# Altium PCB KlusterLab r2.0.PcbDoc (part 13 of 22) (continued)
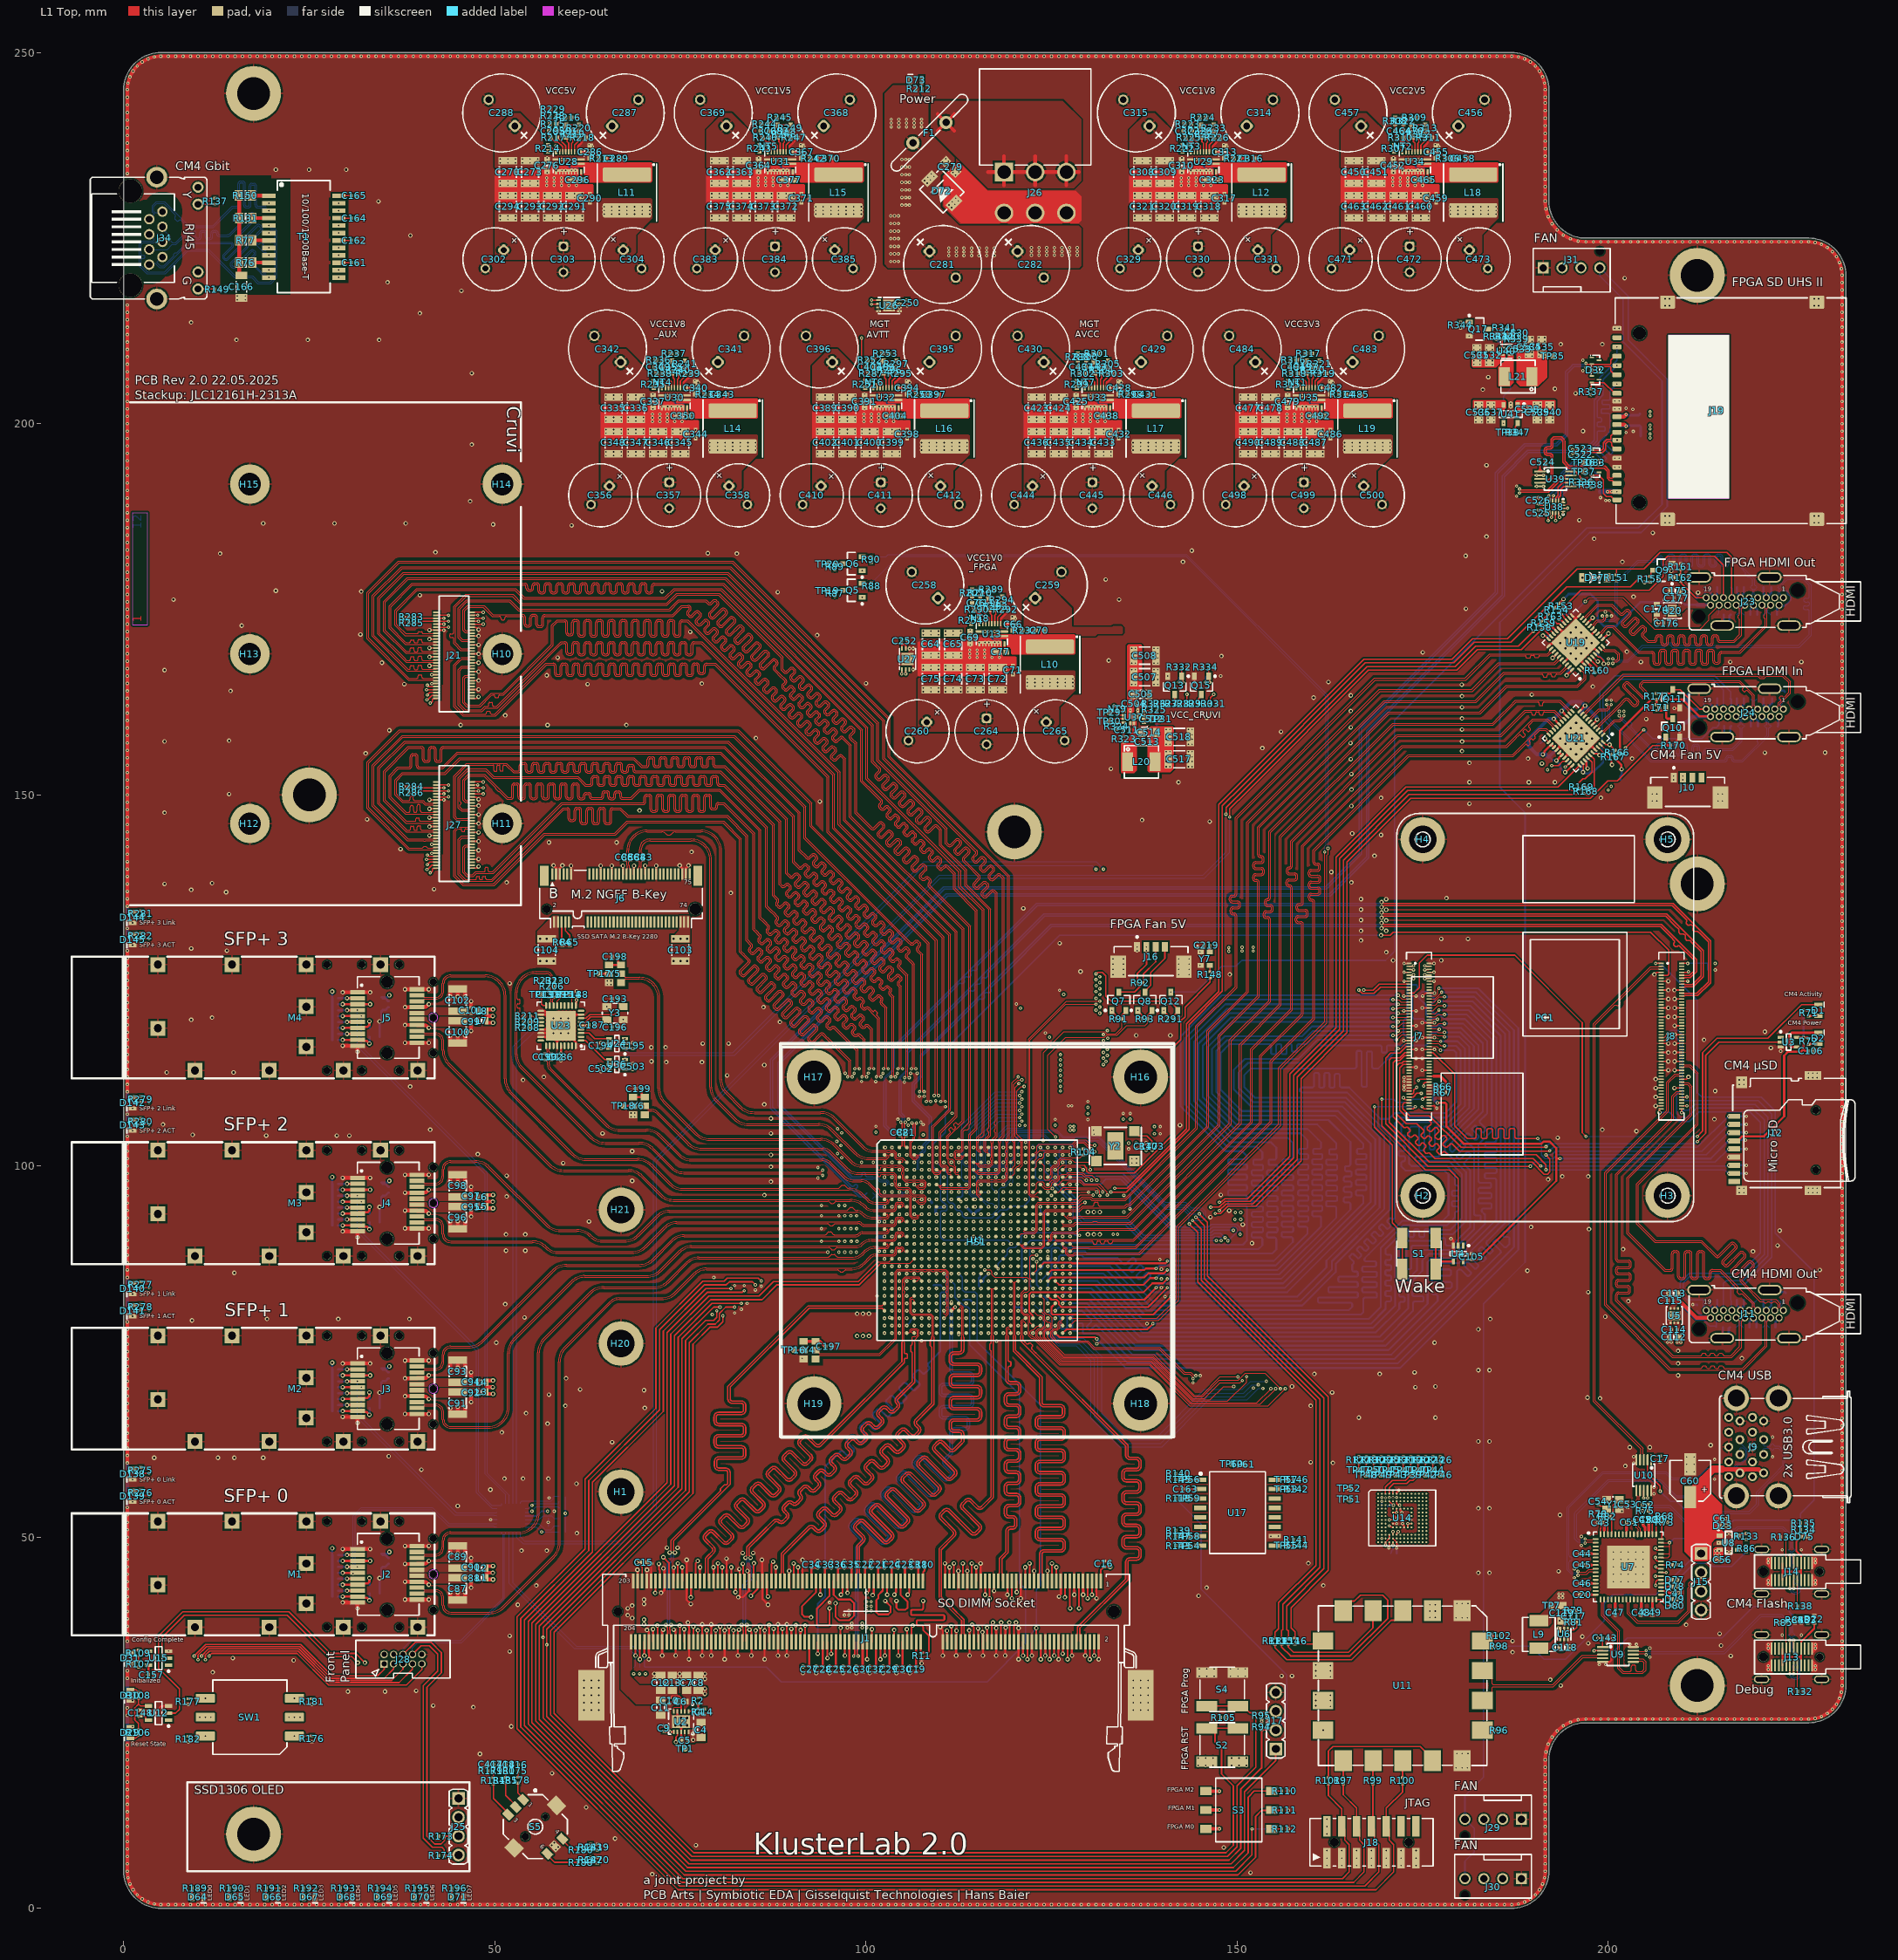
[diagram p0: L1 Top view]
## Nets (pads, with @x,y where several pads share a name; then routed paths per layer and width w, separated by ;. In a path a pad name is that pad's centre, name@x,y a point inside that pad or via, vN(x,y) a via of type N, cw(c..) or ccw(c..) an arc to the next point about the centre after c; other vN are vias at no path point) (continued)
eMMC.D0: R119.1 U1.A24 | length 82.2
  L3 Inner2 (Sig) w0.1: v1(125.493,102.507) 126.114,103.128 128.172,103.128 130.5,100.8 131.45,100.8 133,99.25 134.8,99.25 135.55,98.5 158.836,98.5 174.9,82.436 174.9,69.35 173.4,67.85 173.4,64.378 173.4,64.328 ccw(c173.6,64.328) 173.6,64.128 173.818,64.128 cw(c173.818,63.928) 173.818,63.728 173.424,63.728 ccw(c173.424,63.528) 173.424,63.328 173.6,63.328 cw(c173.6,63.128) 173.6,62.928 ccw(c173.6,62.728) 173.4,62.728 173.4,62.471 173.4,60.829 v1(173.395,60.824)
eMMC.D1: R120.1 U1.A23 | length 83.6
  L3 Inner2 (Sig) w0.1: v1(124.5,102.5) 125.4,103.4 128.283,103.4 130.583,101.1 131.5,101.1 133.1,99.5 134.888,99.5 135.638,98.75 158.939,98.75 175.15,82.539 175.15,69.2 174.395,68.445 174.395,62.564 174.395,62.514 ccw(c174.595,62.514) 174.595,62.314 174.806,62.314 cw(c174.806,62.114) 174.806,61.914 174.018,61.914 ccw(c174.018,61.714) 174.018,61.514 174.195,61.514 cw(c174.195,61.314) 174.395,61.314 174.395,60.853 v1(174.395,60.824)
eMMC.D2: R121.1 U1.C26 | length 85.8
  L3 Inner2 (Sig) w0.1: v1(127.496,100.504) 131.346,100.504 132.85,99 134.682,99 135.438,98.243 158.73,98.243 174.65,82.323 174.65,69.569 172.4,67.319 172.4,66.823 172.4,66.773 ccw(c172.6,66.773) 172.6,66.573 172.682,66.573 cw(c172.682,66.373) 172.682,66.173 172.154,66.173 ccw(c172.154,65.973) 172.154,65.773 172.682,65.773 cw(c172.682,65.573) 172.682,65.373 172.154,65.373 ccw(c172.154,65.173) 172.154,64.973 172.682,64.973 cw(c172.682,64.773) 172.682,64.573 172.154,64.573 ccw(c172.154,64.373) 172.154,64.173 172.682,64.173 cw(c172.682,63.973) 172.682,63.773 172.154,63.773 ccw(c172.154,63.573) 172.154,63.373 172.682,63.373 cw(c172.682,63.173) 172.682,62.973 172.154,62.973 ccw(c172.154,62.773) 172.154,62.573 172.619,62.573 cw(c172.619,62.373) 172.619,62.173 172.2,62.173 ccw(c172.2,61.973) 172.2,61.773 cw(c172.2,61.573) 172.4,61.573 172.4,61.196 172.4,60.829 v1(172.395,60.824)
eMMC.D3: R122.1 U1.D21 | length 86.4
  L1 Top w0.1: U1.D21@122.5,99.5 122.95,99.95 122.95,100.596 123.379,101.025 123.704,101.025 123.978,101.299 123.978,101.678 124.2,101.9 124.749,101.9 127.953,101.9 128.247,102.194 128.247,102.762 128.583,103.098 129.306,103.098 129.9,102.505 129.9,102.2 130.2,101.9 v1(130.8,101.9)
  L3 Inner2 (Sig) w0.1: v1(130.8,101.9) 130.815,101.885 131.115,101.885 133.25,99.75 134.993,99.75 135.743,99 159.043,99 175.4,82.643 175.4,62.115 175.4,62.065 ccw(c175.58,62.065) 175.58,61.885 175.658,61.885 cw(c175.658,61.705) 175.838,61.705 175.838,61.665 cw(c175.658,61.665) 175.658,61.485 175.58,61.485 ccw(c175.58,61.305) 175.4,61.305 175.4,61.017 175.4,60.829 v1(175.395,60.824)
eMMC.D4: R123.1 U1.C24 | length 86.4
  L3 Inner2 (Sig) w0.1: v1(125.5,100.5) 125.884,100.116 131.384,100.116 132.75,98.75 134.581,98.75 135.331,98 158.629,98 174.4,82.229 174.4,74.15 172.45,72.2 172.45,71.538 172.45,71.488 ccw(c172.65,71.488) 172.65,71.288 173.217,71.288 cw(c173.217,71.088) 173.217,70.888 172.196,70.888 ccw(c172.196,70.688) 172.196,70.488 173.217,70.488 cw(c173.217,70.288) 173.217,70.088 172.196,70.088 ccw(c172.196,69.888) 172.196,69.688 173.217,69.688 cw(c173.217,69.488) 173.217,69.288 172.215,69.288 ccw(c172.215,69.088) 172.215,68.888 172.25,68.888 cw(c172.25,68.688) 172.45,68.688 172.45,68.154 172.45,67.8 171.395,66.745 v1(171.395,60.824)
eMMC.D5: R124.1 U1.C21 | length 88.6
  L1 Top w0.1: U1.C21@122.5,100.5 122.973,100.973 122.973,101.623 123.45,102.1 127.87,102.1 128.047,102.277 128.047,102.88 128.465,103.298 129.452,103.298 v1(130.4,102.35)
  L3 Inner2 (Sig) w0.1: v1(130.4,102.35) 131.05,102.35 133.408,99.992 135.119,99.992 135.86,99.25 159.146,99.25 175.65,82.746 175.65,64.95 176.395,64.205 176.395,63.552 176.395,63.502 ccw(c176.595,63.502) 176.595,63.302 176.79,63.302 cw(c176.79,63.102) 176.79,62.902 176.016,62.902 ccw(c176.016,62.702) 176.016,62.502 176.778,62.502 cw(c176.778,62.302) 176.778,62.102 176.595,62.102 ccw(c176.595,61.902) 176.395,61.902 176.395,61.41 v1(176.395,60.824)
eMMC.D6: R125.1 U1.D24 | length 86.3
  L3 Inner2 (Sig) w0.1: v1(125.5,99.5) 125.875,99.875 131.275,99.875 132.65,98.5 134.48,98.5 135.23,97.75 158.525,97.75 174.15,82.125 174.15,74.25 171.421,71.521 171.421,67.962 170.4,66.941 170.4,66.437 170.4,66.387 ccw(c170.56,66.387) 170.56,66.227 170.842,66.227 cw(c170.842,66.067) 171.002,66.067 171.002,65.987 cw(c170.842,65.987) 170.842,65.827 170.308,65.827 ccw(c170.308,65.667) 170.148,65.667 170.148,65.587 ccw(c170.308,65.587) 170.308,65.427 170.842,65.427 cw(c170.842,65.267) 171.002,65.267 171.002,65.187 cw(c170.842,65.187) 170.842,65.027 170.308,65.027 ccw(c170.308,64.867) 170.148,64.867 170.148,64.787 ccw(c170.308,64.787) 170.308,64.627 170.842,64.627 cw(c170.842,64.467) 171.002,64.467 171.002,64.387 cw(c170.842,64.387) 170.842,64.227 170.308,64.227 ccw(c170.308,64.067) 170.148,64.067 170.148,63.987 ccw(c170.308,63.987) 170.308,63.827 170.842,63.827 cw(c170.842,63.667) 171.002,63.667 171.002,63.587 cw(c170.842,63.587) 170.842,63.427 170.308,63.427 ccw(c170.308,63.267) 170.148,63.267 170.148,63.187 ccw(c170.308,63.187) 170.308,63.027 170.825,63.027 cw(c170.825,62.867) 170.985,62.867 170.985,62.787 cw(c170.825,62.787) 170.825,62.627 170.4,62.627 ccw(c170.4,62.467) 170.24,62.467 170.24,62.387 ccw(c170.4,62.387) 170.4,62.227 170.56,62.227 cw(c170.56,62.067) 170.72,62.067 170.72,61.987 cw(c170.56,61.987) 170.56,61.827 ccw(c170.56,61.667) 170.4,61.667 170.4,61.403 170.4,60.829 v1(170.395,60.824)
eMMC.D7: R126.1 U1.B21 | length 87
  L1 Top w0.1: U1.B21@122.5,101.5 122.999,101.999 122.999,102.624 123.318,102.944 127.792,102.944 128.371,103.522 129.596,103.522 130.318,102.8 v1(130.8,102.8)
  L3 Inner2 (Sig) w0.1: v1(130.8,102.8) 130.858,102.742 131.072,102.742 133.564,100.25 135.203,100.25 135.953,99.5 159.25,99.5 175.9,82.85 175.9,65.177 177.395,63.682 177.395,62.696 177.395,62.646 ccw(c177.595,62.646) 177.595,62.446 177.941,62.446 cw(c177.941,62.246) 177.941,62.046 177.595,62.046 ccw(c177.595,61.846) 177.395,61.846 177.395,61.235 v1(177.395,60.824)
eMMC.DS: R130.1 U1.F22 | length 87.7
  L1 Top w0.1: U1.F22@123.5,97.5 124.1,96.9 124.932,96.9 125.008,96.976 v1(125.103,96.976)
  L3 Inner2 (Sig) w0.1: v1(125.103,96.976) 124.385,97.693 123.507,97.693 123.028,98.172 123.028,99.718 123.312,100.002 124.78,100.002 125,99.782 125,99.428 125.314,99.114 127.603,99.114 127.967,98.75 131.6,98.75 132.35,98 134.25,98 135,97.25 158.318,97.25 173.65,81.918 173.65,74.45 170.1,70.9 170.1,67.768 168.395,66.063 168.395,64.98 168.395,61.461 v1(168.395,60.824)
eMMC.R\S\T\: R129.1 U1.D26 | length 76.9
  L3 Inner2 (Sig) w0.1: v1(127.5,99.5) 127.855,99.5 128.331,99.024 131.726,99.024 132.5,98.25 134.355,98.25 135.105,97.5 158.422,97.5 173.9,82.022 173.9,74.35 170.416,70.866 170.416,67.566 169.35,66.5 169.35,65.349 169.595,65.104 169.595,64.96 169.595,61.611 169.595,61.39 169.395,61.191 v1(169.395,60.824)
eMMC_CLK: R128.2 TP48.1 U14.M6 | length 12.6
  L1 Top w0.1: R128.2@167.395,60.034 R128.2@167.4,60.029
  L1 Top w0.165: v1(167.4,58.4) R128.2@167.4,60.029 ; U14.M6@171.495,50.329 171.511,50.345 171.511,50.47 171.695,50.654 v1(171.695,50.729)
  L3 Inner2 (Sig) w0.1: v1(167.4,58.4) 168.054,57.746 168.054,52.612 169.562,51.104 171.32,51.104 v1(171.695,50.729)
eMMC_CMD: R127.2 TP47.1 U14.M5 | length 12.7
  L1 Top w0.1: R127.2@166.395,60.034 R127.2@166.4,60.029
  L1 Top w0.165: v1(166.4,59.05) R127.2@166.4,60.029 ; U14.M5@170.995,50.329 v1(170.995,50.729)
  L3 Inner2 (Sig) w0.1: v1(166.4,59.05) 166.4,58.45 167.7,57.15 167.7,52.2 169.171,50.729 v1(170.995,50.729)
eMMC_D0: R119.2 TP39.1 U14.A3 | length 6.6
  L1 Top w0.165: U14.A3@169.995,55.829 169.995,56.729 170.931,57.665 172.655,57.665 TP39.1@173.395,58.405 ; R119.2@173.395,60.034 TP39.1@173.395,58.405 ; TP39.1@173.4,58.4 TP39.1@173.395,58.405
eMMC_D1: R120.2 TP40.1 U14.A4 | length 7.1
  L1 Top w0.165: U14.A4@170.495,55.829 170.495,56.645 171.1,57.25 172.839,57.25 173.238,57.649 173.658,57.649 174.4,58.392 TP40.1@174.4,59.05 174.4,60.029 R120.2@174.395,60.034
eMMC_D2: R121.2 TP41.1 U14.A5 | length 4.8
  L1 Top w0.1: R121.2@172.395,60.034 R121.2@172.4,60.029
  L1 Top w0.165: U14.A5@170.995,55.829 170.995,56.304 v3(171,56.309) ; v1(172.4,59.05) R121.2@172.4,60.029
  L3 Inner2 (Sig) w0.1: v3(171,56.309) 170.995,56.314 170.995,57.274 172.4,58.679 v1(172.4,59.05)
eMMC_D3: R122.2 TP42.1 U14.B2 | length 10.9
  L1 Top w0.1: R122.2@175.395,60.034 R122.2@175.4,60.029
  L1 Top w0.165: v1(175.4,58.4) R122.2@175.4,60.029
  L3 Inner2 (Sig) w0.1: v3(169.495,55.354) 169.495,56.973 170.809,58.287 170.809,58.633 171.72,59.543 172.742,59.543 173.885,58.4 v1(175.4,58.4)
eMMC_D4: R123.2 TP43.1 U14.B3 | length 5.3
  L1 Top w0.1: R123.2@171.395,60.034 R123.2@171.4,60.029
  L1 Top w0.165: v1(171.4,58.4) R123.2@171.4,60.029
  L3 Inner2 (Sig) w0.1: v3(169.995,55.304) 169.995,56.922 171.4,58.327 v1(171.4,58.4)
eMMC_D5: R124.2 TP44.1 U14.B4 | length 8.7
  L1 Top w0.1: R124.2@176.395,60.034 R124.2@176.4,60.029
  L1 Top w0.165: v1(176.4,59.05) R124.2@176.4,60.029
  L3 Inner2 (Sig) w0.1: v3(170.495,55.329) 170.966,55.8 171.909,55.8 173.109,57 174.789,57 176.4,58.611 v1(176.4,59.05)
eMMC_D6: R125.2 TP45.1 U14.B5 | length 8.4
  L1 Top w0.1: R125.2@170.395,60.034 R125.2@170.4,60.029
  L1 Top w0.165: v1(170.4,59.05) R125.2@170.4,60.029
  L3 Inner2 (Sig) w0.1: v1(170.4,59.05) 170.4,58.413 169.113,57.126 169.113,54.58 169.364,54.329 169.995,54.329 v3(170.995,55.329)
eMMC_D7: R126.2 TP46.1 U14.B6 | length 8.8
  L1 Top w0.1: R126.2@177.395,60.034 R126.2@177.4,60.029
  L1 Top w0.165: v1(177.4,58.4) R126.2@177.4,60.029
  L3 Inner2 (Sig) w0.1: v3(171.495,55.354) 171.915,55.354 173.236,56.675 174.849,56.675 176.574,58.4 v1(177.4,58.4)
eMMC_DS: R130.2 TP50.1 U14.H5 | length 9.6
  L1 Top w0.1: R130.2@168.395,60.034 R130.2@168.4,60.029
  L1 Top w0.165: v1(168.4,59.05) R130.2@168.4,60.029
  L1 Top w0.166: v1(170.495,52.329) U14.H5@170.995,52.329
  L3 Inner2 (Sig) w0.1: v1(168.4,59.05) 168.427,59.023 168.427,53.423 169.521,52.329 v1(170.495,52.329)
eMMC_R\S\T\: R129.2 TP49.1 U14.K5 | length 11.1
  L1 Top w0.1: R129.2@169.395,60.034 R129.2@169.4,60.029
  L1 Top w0.165: v1(169.4,58.4) R129.2@169.4,60.029 ; v1(170.495,51.529) 170.59,51.529 170.761,51.358 170.966,51.358 U14.K5@170.995,51.329
  L3 Inner2 (Sig) w0.1: v1(169.4,58.4) 169.4,57.883 168.794,57.277 168.794,53.604 169.398,53 170.5,53 170.995,52.505 170.995,52.029 v1(170.495,51.529)
FLASH.C\S\: R147.1 U1.C23 | length 93.1
  L3 Inner2 (Sig) w0.1: v1(141.707,50.123) 142.3,50.715 142.3,51.208 140.65,52.858 140.65,53.375 140.65,53.425 140.51,53.565 138.536,53.565 138.396,53.705 138.396,54.125 138.536,54.265 140.533,54.265 140.673,54.405 140.673,54.825 140.533,54.965 138.536,54.965 138.396,55.105 138.396,55.525 138.536,55.665 140.533,55.665 140.673,55.805 140.673,56.225 140.533,56.365 138.536,56.365 138.396,56.505 138.396,56.925 138.536,57.065 140.533,57.065 140.673,57.205 140.673,57.625 140.533,57.765 138.671,57.765 138.531,57.905 138.531,58.325 138.671,58.465 140.51,58.465 140.65,58.605 140.65,59.075 140.65,59.168 142.482,61 145.95,61 146.5,61.55 146.5,87.59 148.391,89.481 148.391,90.346 v1(148.393,90.349)
  L12 Bottom w0.165: v1(124.515,100.485) 124.979,100.022 124.979,99.357 125.4,98.936 125.659,98.936 126.013,98.582 126.013,97.916 128.724,95.204 128.724,93.415 129.406,92.733 135.343,92.733 137.43,90.647 146.608,90.647 146.911,90.95 147.772,90.95 v1@148.393,90.329
FLASH.CLK: R117.2 R146.1 U1.C8 | length 99.9
  L3 Inner2 (Sig) w0.1: v1(150.4,90.8) 150.4,88.453 148.997,87.05 148.997,66.401 157.635,57.762 v1(158.383,57.762)
  L12 Bottom w0.165: v1(109.5,100.5) 111,99 111,95.3 111.3,95 111.7,95 112,94.7 112,94.3 112.3,94 112.7,94 113,93.7 113,93.3 113.3,93 117,93 118.088,94.088 118.961,94.088 119.482,94.608 121.266,94.608 122.024,95.367 122.024,100.678 123.006,101.66 123.006,102.662 123.293,102.948 127.628,102.948 127.908,102.669 127.908,102.667 128.282,102.292 R117.2@128.282,102.197 128.282,102.045 128.331,101.997 128.331,99.519 128.867,98.983 134.617,98.983 141.852,91.748 146.121,91.748 146.523,92.15 149.924,92.15 150.4,91.674 v1(150.4,90.8)
FLASH.D0: R142.1 U1.B24 | length 90.3
  L3 Inner2 (Sig) w0.1: v1(149.5,91.35) 149.507,91.35 149.955,90.902 149.955,88.645 148.5,87.19 148.5,56.895 148.905,56.49 149.348,56.49 149.53,56.49 149.67,56.63 149.67,57.717 149.81,57.857 150.23,57.857 150.37,57.717 150.37,54.09 150.51,53.95 150.93,53.95 151.07,54.09 151.07,57.761 151.21,57.901 151.63,57.901 151.77,57.761 151.77,54.09 151.91,53.95 152.33,53.95 152.47,54.09 152.47,56.35 152.61,56.49 152.66,56.49 v1(158.38,56.49)
  L12 Bottom w0.165: v1(125.5,101.5) 125.523,101.477 125.523,101.185 125.908,100.8 125.908,99.276 127.026,98.157 128.872,98.157 129.438,97.591 131.691,97.591 132.334,98.234 134.312,98.234 141.546,91 146.443,91 146.793,91.35 v1(149.5,91.35)
FLASH.D1: R143.1 U1.A25 | length 89.3
  L3 Inner2 (Sig) w0.1: v1(141.707,48.853) 145.578,48.853 145.85,49.125 145.85,50.775 145.55,51.075 145.443,51.075 144.617,51.075 144.477,50.935 144.477,49.71 144.337,49.57 143.917,49.57 143.777,49.71 143.777,50.935 143.637,51.075 142.968,51.075 142.689,51.354 141,53.043 141,58.95 142.55,60.5 146.05,60.5 147,61.45 147,87.497 148.766,89.262 v1(148.766,89.913)
  L12 Bottom w0.165: v1(126.5,102.5) 126.006,102.006 126.006,101.28 126.295,100.991 126.655,100.991 126.976,100.671 126.976,99.323 127.682,98.617 134.47,98.617 141.702,91.386 146.259,91.386 146.673,91.8 149.75,91.8 150.05,91.5 150.05,91.197 v1(148.766,89.913)
FLASH.D2: R144.1 U1.B22 | length 92.2
  L3 Inner2 (Sig) w0.1: v1(147.207,89.951) 147.206,90.37 147.878,91.042 148.874,91.042 149.575,90.341 149.575,88.911 148,87.336 148,49.8 148.942,48.858 150.362,48.858 150.412,48.858 150.552,48.998 150.552,50.034 150.692,50.174 151.112,50.174 151.252,50.034 151.252,48.913 151.392,48.773 151.812,48.773 151.952,48.913 151.952,49.984 152.092,50.124 152.512,50.124 152.652,49.984 152.652,48.998 152.792,48.858 153.45,48.858 v1(158.393,48.858)
  L12 Bottom w0.165: v1(123.5,101.5) 122.855,100.855 122.855,98.445 123.25,98.05 124.667,98.05 127.876,94.841 127.876,93.102 128.927,92.05 134.943,92.05 137.042,89.951 v1(147.207,89.951)
FLASH.D3: R145.1 U1.A22 | length 92.7
  L3 Inner2 (Sig) w0.1: v1(141.707,57.742) 143.447,57.742 143.497,57.742 143.637,57.882 143.637,59.818 143.777,59.958 144.197,59.958 144.337,59.818 144.337,55.036 144.477,54.896 144.897,54.896 145.037,55.036 145.037,59.818 145.177,59.958 145.597,59.958 145.737,59.818 145.737,55.088 145.877,54.948 146.297,54.948 146.437,55.088 146.437,57.602 146.577,57.742 146.8,57.742 147.192,57.742 147.5,58.05 147.5,87.44 149.245,89.185 149.245,90.147 148.652,90.739 148.253,90.739 147.917,90.403 147.917,90.017 v1(147.85,89.95)
  L12 Bottom w0.165: v1(123.5,102.5) 123.999,102.001 123.999,99.332 128.312,95.019 128.312,93.214 129.132,92.394 135.148,92.394 137.222,90.32 146.835,90.32 146.982,90.466 147.587,90.466 147.808,90.246 147.808,89.992 v1(147.85,89.95)
FLASH.R\S\T\: R118.1 TP59.1 U17.3 | length 2.6
  L1 Top w0.165: R118.1@142.497,55.203 TP59.1@143.447,55.203 ; TP59.1@143.45,55.205 U17.3@145.05,55.205
FLASH_C\S\: R139.1 R147.2 TP58.1 U17.7 | length 3.3
  L1 Top w0.165: R139.1@142.495,50.9 142.497,50.898 R147.2@142.497,50.123 TP58.1@143.447,50.123 ; TP58.1@143.45,50.125 U17.7@145.05,50.125
FLASH_CLK: R146.2 TP57.1 U17.16 | length 2.6
  L1 Top w0.165: U17.16@155.045,57.745 U17.16@155.05,57.745 156.65,57.745 TP57.1@156.653,57.748 ; TP57.1@156.655,57.75 TP57.1@156.653,57.748 ; R146.2@157.603,57.748 TP57.1@156.653,57.748
FLASH_D0: R142.2 TP53.1 U17.15 | length 2.6
  L1 Top w0.165: U17.15@155.05,56.475 TP53.1@156.65,56.475 ; TP53.1@156.652,56.478 R142.2@157.602,56.478
FLASH_D1: R143.2 TP54.1 U17.8 | length 2.6
  L1 Top w0.165: R143.2@142.497,48.853 TP54.1@143.447,48.853 ; TP54.1@143.45,48.855 U17.8@145.05,48.855
FLASH_D2: R141.1 R144.2 TP55.1 U17.9 | length 3.4
  L1 Top w0.165: U17.9@155.05,48.855 TP55.1@156.65,48.855 ; TP55.1@156.653,48.858 R144.2@157.603,48.858 R141.1@157.603,49.658
FLASH_D3: R140.1 R145.2 TP56.1 U17.1 | length 3.4
  L1 Top w0.165: R140.1@142.495,58.55 142.497,58.548 R145.2@142.497,57.742 TP56.1@143.447,57.742 ; TP56.1@143.45,57.745 U17.1@145.05,57.745
FPGA_DONE: J17.1 U1.J7 U15.2 | length 283.2
  L1 Top w0.2: U15.2@6.05,33.7 5.8,33.7 5.15,34.35 5.15,36.49 8.16,39.5 22.036,39.5 27.636,33.9 30.75,33.9 v2(31.55,33.1) ; v1(80.35,81) 79.479,81 75.2,76.721 75.2,56.521 56.5,37.821 v1(56.5,36.5) 56.5,25.65 76.15,6 149.2,6 151,7.8 151,15.7 155.2,19.9 J17.1@155.2,21.47
  L3 Inner2 (Sig) w0.2: v2(31.55,33.1) 34.369,35.919 55.919,35.919 v1(56.5,36.5)
  L10 Inner9 (Sig) w0.1: v1(80.35,81) 80.4,81.05 80.4,87.9 86.9,94.4 91.9,94.4 92.75,95.25 99.291,95.25 100.141,94.4 101.9,94.4 102.2,94.1 108.1,94.1 v1(108.5,94.5)
FPGA_EMCCLK: R104.2 U1.E23 | length 6.8
  L1 Top w0.1: U1.E23@124.5,98.5 124.9,98.9 124.9,99.334 124.9,99.749 125.252,100.1 125.666,100.1 125.9,100.334 125.9,100.749 126.252,101.1 128.836,101.1 129.101,101.365 129.16,101.365 R104.2@129.3,101.505
FPGA_FAN_PWM: Q8.2 R93.1 U1.C17 | length 39.2
  L1 Top w0.1: v1(125.544,103.9) 124.5,104.944 124.5,114.9 126.925,117.325 132.155,117.325 132.43,117.6 133.85,117.6 135.15,118.9 137.575,118.9 137.97,119.295 R93.1@137.97,119.8 ; Q8.2@138.525,120.965 Q8.2@138.525,121.115
  L1 Top w0.2: R93.1@137.97,119.8 137.97,120.34 138.22,120.59 138.3,120.59 138.525,120.815 Q8.2@138.525,120.965
  L12 Bottom w0.1: v1(118.5,100.5) 119.1,101.1 119.1,102.9 119.5,103.3 119.5,103.9 120.1,104.5 124.944,104.5 v1(125.544,103.9)
FPGA_FAN_TACH: Q7.2 R91.1 U1.B19 | length 32.3
  L1 Top w0.1: v1(123.871,103.43) 123.9,103.458 123.9,115.3 126.675,118.075 132.155,118.075 132.43,117.8 133.65,117.8 134.47,118.62 R91.1@134.47,119.8 ; Q7.2@135.025,120.965 Q7.2@135.025,121.115
  L1 Top w0.2: R91.1@134.47,119.8 134.47,120.34 134.72,120.59 134.8,120.59 135.025,120.815 Q7.2@135.025,120.965
  L12 Bottom w0.1: v1(120.5,101.5) 120.5,103.1 121.233,103.833 123.467,103.833 v1(123.871,103.43)
FPGA_I\N\I\T\: J17.2 R94.2 R118.2 U1.G7 U12.2 | length 334.1
  L1 Top w0.2: U12.2@6.05,26.3 7,26.3 7.5,26.8 7.5,29.55 4.7,32.35 4.7,36.69 7.96,39.95 22.247,39.95 27.847,34.35 31.25,34.35 v2(32.5,33.1) ; v1(79.9,80.5) 79.9,79.6 79.5,79.2 78.4,79.2 75.7,76.5 75.7,56.314 57,37.614 v1(57,35.5) 57,25.857 76.357,6.5 148.9,6.5 150.5,8.1 150.5,16.1 153.3,18.9 R94.2@153.3,24.055 153.322,24.033 155.177,24.033 J17.2@155.2,24.01
  L3 Inner2 (Sig) w0.2: v2(32.5,33.1) 34.885,35.485 56.985,35.485 v1(57,35.5)
  L10 Inner9 (Sig) w0.1: v1(79.9,80.5) 79.9,88.4 87.5,96 108,96 v1(108.5,96.5)
  L12 Bottom w0.2: v1(141.707,55.203) 145.15,51.76 145.15,43 156.7,31.45 156.7,25.51 J17.2@155.2,24.01
FPGA_M0: R112.2 S3.13 U1.T5 | length 209.6
  L1 Top w0.1: 101.8,86.7 102,86.9 105.9,86.9 U1.T5@106.5,87.5
  L1 Top w0.2: 101.8,86.7 99.1,84 88,84 86,82 79.064,82 74.2,77.136 74.2,56.936 55.5,38.236 55.5,25.236 75.736,5 149.8,5 152,7.2 v1(152,10.7) ; S3.13@154.685,10.7 R112.2@156.005,10.7
  L12 Bottom w0.2: v1(152,10.7) v1(154.7,10.7)
FPGA_M1: R111.2 S3.23 U1.T2 | length 210.4
  L1 Top w0.1: 101.617,87.1 103.1,87.1 U1.T2@103.5,87.5
  L1 Top w0.2: 101.617,87.1 98.959,84.441 87.541,84.441 85.6,82.5 78.857,82.5 73.7,77.343 73.7,57.143 55,38.443 55,25.028 75.528,4.5 150.1,4.5 152.5,6.9 152.5,12.4 153.3,13.2 R111.2@156.005,13.2
FPGA_M2: R110.2 S3.33 U1.P5 | length 215.6
  L1 Top w0.2: v1(83.2,81.5) 79.272,81.5 74.7,76.928 74.7,56.728 56,38.028 56,25.443 75.943,5.5 149.5,5.5 151.5,7.5 151.5,15 152.29,15.79 S3.33@154.675,15.79 ; S3.33@154.685,15.8 R110.2@156.005,15.8
  L10 Inner9 (Sig) w0.1: v1(83.2,81.5) 84.2,82.5 85.7,82.5 86.5,83.3 86.5,86 90.4,89.9 92.1,89.9 92.65,89.35 101.45,89.35 102,89.9 ; 102.1,89.9 102,89.9 ; v1(106.5,89.5) 106.1,89.9 102,89.9
FPGA_PROG: J17.3 R95.2 S4.2 S4.4 U1.P6 | length 225.6
  L1 Top w0.2: v1(82.3,81) 81.1,81 80.25,80.15 80.25,79.25 79.7,78.7 78.7,78.7 76.2,76.2 76.2,56.107 57.5,37.407 57.5,26.064 76.564,7 148.7,7 150,8.3 150,16.5 152.503,19.003 152.503,26.345 ; S4.2@145.9,27.25 S4.4@150.1,27.25 ; S4.4@151.1,26.75 151.3,26.75 151.705,26.345 152.503,26.345 ; J17.3@155.2,26.55 155.085,26.435 153.39,26.435 R95.2@153.3,26.345 152.503,26.345
  L10 Inner9 (Sig) w0.1: v1(82.3,81) 82.367,81.067 82.367,81.367 84.6,83.6 84.6,85.1 89.9,90.4 101.8,90.4 102.1,90.1 106.9,90.1 v1(107.5,89.5)
FPGA_SD-UHSCLK: R148.2 U1.F23 | length 44.7
  L1 Top w0.1: U1.F23@124.5,97.5 125.1,98.1 125.666,98.1 125.9,98.334 125.9,99.575 126.425,100.1 129.35,100.1
  L1 Top w0.15: 129.35,100.1 129.75,99.7 129.75,99.3 130,99.05 136.182,99.05 141.425,104.293 141.425,116.05 142.408,117.033 142.408,119.546 142.975,120.112 142.975,121.4 146.375,124.8 R148.2@146.375,125.38
FPGA_SOFT_RST: R105.2 S2.2 S2.4 U1.A20 | length 255.9
  L1 Top w0.2: v1(80.725,79.825) 80.725,79.025 80,78.3 79,78.3 76.7,76 76.7,55.9 58,37.2 58,26.271 76.771,7.5 148.5,7.5 149.5,8.5 149.5,16.5 147.9,18.1 147.9,21.55 147.036,22.414 147.036,24.214 S2.4@147,24.25 ; S2.4@145.9,24.25 S2.4@147,24.25 ; S2.4@147.2,24.6 147.2,25.095 147.755,25.65 R105.2@147.755,25.7 ; S2.2@149.1,23.65 S2.2@149.7,24.25 ; S2.2@150.1,24.25 S2.2@149.7,24.25 ; S2.4@147,24.25 S2.2@149.7,24.25
  L10 Inner9 (Sig) w0.1: v1(80.725,79.825) 80.725,87.225 87.2,93.7 92.2,93.7 92.7,94.2 99.55,94.2 100.05,93.7 103.9,93.7 104.1,93.9 116.8,93.9 117.125,93.575 117.125,88.345 117.37,88.1 118.7,88.1 119.091,88.491 119.091,89.547 120.9,91.356 120.9,100.9 121.5,101.5 v1(121.5,102.45)
GBE1_MDI0_C_N: J34.2 T1.11 | length 32.4
  L12 Bottom w0.114: J34.2@5.219,222.45 4.539,221.77 4.539,221.676 4.954,221.262 5.395,221.262 6.729,222.596 6.729,222.833 6.939,223.042 7.176,223.042 8.592,224.459 13.769,224.459 14.588,224.459 14.698,224.349 ; 14.699,224.348 14.729,224.317 14.729,224.314 cw(c14.402,224.052) 14.698,223.756 13.577,222.635 ccw(c13.722,222.489) 13.577,222.344 13.65,222.271 ccw(c13.795,222.416) 13.94,222.271 16.031,224.362 16.035,224.362 cw(c16.296,224.034) 16.593,224.331 16.665,224.258 cw(c16.369,223.962) 16.665,223.665 14.606,221.606 ccw(c14.751,221.46) 14.606,221.315 14.679,221.242 ccw(c14.824,221.388) 14.969,221.242 17.06,223.333 17.064,223.333 cw(c17.325,223.005) 17.622,223.302 17.694,223.229 cw(c17.398,222.933) 17.694,222.636 17.198,222.14 ccw(c17.343,221.994) 17.198,221.849 18.462,220.585 18.727,220.32 19.17,220.32 v1(19.55,220.7)
GBE1_MDI0_C_P: J34.1 T1.12 | length 32.5
  L12 Bottom w0.114: J34.1@3.439,221.43 3.641,221.632 4.243,221.632 4.827,221.048 5.483,221.048 8.681,224.245 13.555,224.245 14.499,224.245 14.546,224.198 cw(c14.402,224.052) 14.547,223.907 13.394,222.754 13.394,222.751 ccw(c13.722,222.489) 13.426,222.192 13.498,222.121 ccw(c13.795,222.416) 14.092,222.121 16.15,224.179 cw(c16.296,224.034) 16.442,224.18 16.514,224.107 cw(c16.369,223.962) 16.514,223.816 14.423,221.725 14.423,221.722 ccw(c14.751,221.46) 14.455,221.163 14.527,221.092 ccw(c14.824,221.388) 15.121,221.092 17.179,223.15 ; 17.18,223.151 cw(c17.325,223.005) 17.471,223.151 17.543,223.078 cw(c17.398,222.933) 17.543,222.787 17.047,222.291 ccw(c17.343,221.994) 17.047,221.698 18.311,220.434 18.505,220.24 18.505,220.221 18.619,220.107 18.719,220.107 18.746,220.08 19.17,220.08 v1(19.55,219.7)
GBE1_MDI1_C_N: J34.6 T1.8 | length 32.7
  L12 Bottom w0.114: J34.6@5.219,226.53 5.219,226.255 6.27,225.204 6.27,224.696 6.575,224.391 6.966,224.391 8.041,225.466 8.388,225.466 8.565,225.466 ccw(c8.565,225.62) 8.719,225.62 8.719,225.644 cw(c9.114,225.644) 9.114,226.039 9.32,226.039 cw(c9.32,225.644) 9.715,225.644 9.715,225.2 ccw(c9.869,225.2) 9.869,225.046 10.074,225.046 ccw(c10.074,225.2) 10.228,225.2 10.228,225.644 cw(c10.623,225.644) 10.623,226.039 10.829,226.039 cw(c10.829,225.644) 11.224,225.644 11.224,225.2 ccw(c11.378,225.2) 11.378,225.046 11.584,225.046 ccw(c11.584,225.2) 11.738,225.2 11.738,225.644 cw(c12.133,225.644) 12.133,226.039 12.338,226.039 cw(c12.338,225.644) 12.733,225.644 12.733,225.62 ccw(c12.887,225.62) 12.887,225.466 13.374,225.466 13.866,225.466 13.995,225.466 ccw(c13.996,225.865) 14.278,225.583 17.024,228.328 17.029,228.328 cw(c17.289,227.992) 17.59,228.293 17.763,228.119 cw(c17.463,227.819) 17.763,227.518 15.762,225.517 ; 15.762,225.517 ccw(c15.892,225.386) 15.761,225.257 15.936,225.082 ccw(c16.065,225.213) 16.196,225.083 17.843,226.73 cw(c18.144,226.43) 18.444,226.73 18.618,226.557 cw(c18.317,226.256) 18.618,225.956 17.606,224.944 ccw(c17.737,224.814) 17.606,224.684 18.019,224.271 18.025,224.265 18.065,224.225 ccw(c18.174,224.334) 18.283,224.225 18.417,224.359 cw(c18.526,224.25) 18.635,224.359 18.78,224.214 cw(c18.671,224.105) 18.78,223.996 18.647,223.862 ccw(c18.756,223.753) 18.647,223.644 18.774,223.516 18.814,223.476 18.97,223.32 19.17,223.32 v1(19.55,223.7)
GBE1_MDI1_C_P: J34.3 T1.9 | length 32.7
  L12 Bottom w0.114: J34.3@3.439,223.47 5.856,223.47 6.536,224.15 7.066,224.15 8.141,225.225 8.388,225.225 8.565,225.225 ccw(c8.565,225.62) 8.96,225.62 8.96,225.644 cw(c9.114,225.644) 9.114,225.798 9.32,225.798 cw(c9.32,225.644) 9.474,225.644 9.474,225.2 ccw(c9.869,225.2) 9.869,224.806 10.074,224.806 ccw(c10.074,225.2) 10.469,225.2 10.469,225.644 cw(c10.623,225.644) 10.623,225.798 10.829,225.798 cw(c10.829,225.644) 10.983,225.644 10.983,225.2 ccw(c11.378,225.2) 11.378,224.806 11.584,224.806 ccw(c11.584,225.2) 11.978,225.2 11.978,225.644 cw(c12.133,225.644) 12.133,225.798 12.338,225.798 cw(c12.338,225.644) 12.492,225.644 12.492,225.62 ccw(c12.887,225.62) 12.887,225.225 13.374,225.225 13.672,225.225 13.995,225.225 ccw(c13.996,225.865) 14.448,225.412 17.158,228.122 cw(c17.289,227.992) 17.419,228.123 17.593,227.949 cw(c17.463,227.819) 17.593,227.689 15.556,225.652 15.556,225.647 ccw(c15.892,225.386) 15.592,225.085 15.764,224.913 ccw(c16.065,225.213) 16.366,224.912 18.013,226.56 cw(c18.144,226.43) 18.274,226.56 18.447,226.386 cw(c18.317,226.256) 18.447,226.126 17.436,225.115 ccw(c17.737,224.814) 17.436,224.514 17.849,224.101 18.151,223.798 18.87,223.08 19.17,223.08 v1(19.55,222.7)
GBE1_MDI2_C_N: J34.5 T1.5 | length 36.4
  L12 Bottom w0.114: J34.5@3.439,225.51 4.119,224.83 4.119,224.736 3.996,224.614 2.514,224.614 2.121,224.221 2.121,221.723 2.121,221.185 3.085,220.222 5.627,220.222 8.642,223.237 11.348,223.237 14.925,219.659 17.266,219.659 18.058,218.867 19.829,218.867 20.631,219.669 20.631,225.994 20.305,226.32 19.839,226.32 19.55,226.609 v1(19.55,226.7)
GBE1_MDI2_C_P: J34.4 T1.6 | length 36.5
  L12 Bottom w0.114: J34.4@5.219,224.49 5.017,224.692 4.415,224.692 4.096,224.373 2.613,224.373 2.362,224.122 2.362,223.266 2.362,222.799 ccw(c2.508,222.799) 2.508,222.653 2.713,222.653 cw(c2.713,222.508) 2.858,222.508 2.858,222.435 cw(c2.713,222.435) 2.713,222.29 2.508,222.29 ccw(c2.508,222.144) 2.362,222.144 2.362,221.723 2.362,221.247 2.4,221.247 3.146,220.501 3.146,220.462 5.527,220.462 7.445,222.38 8.542,223.478 11.447,223.478 15.025,219.9 17.366,219.9 18.158,219.108 19.73,219.108 20.39,219.769 20.39,223.879 20.39,224.203 ccw(c20.185,224.203) 20.185,224.409 20.061,224.409 cw(c20.061,224.614) 19.856,224.614 19.856,224.717 cw(c20.061,224.717) 20.061,224.922 20.185,224.922 ccw(c20.185,225.128) 20.39,225.128 20.39,225.699 20.39,225.894 20.205,226.08 19.839,226.08 19.55,225.791 v1(19.55,225.7)
GBE1_MDI3_C_N: J34.8 T1.3 | length 32.7
  L12 Bottom w0.114: J34.8@5.219,228.57 5.108,228.459 4.219,228.459 4.067,228.611 4.067,229.271 4.485,229.689 5.404,229.689 6.381,228.711 6.421,228.671 6.926,228.166 cw(c6.775,228.015) 6.926,227.863 6.918,227.855 ccw(c7.069,227.704) 6.918,227.552 7.12,227.35 ccw(c7.271,227.502) 7.422,227.35 7.431,227.359 cw(c7.582,227.207) 7.734,227.359 8.151,226.941 8.191,226.901 8.638,226.455 12.103,226.455 13.496,227.848 14.728,229.08 15.063,229.08 15.24,229.08 ccw(c15.24,229.475) 15.635,229.475 15.635,232.295 cw(c15.789,232.295) 15.789,232.449 15.995,232.449 cw(c15.995,232.295) 16.149,232.295 16.149,229.458 ccw(c16.544,229.458) 16.544,229.063 16.75,229.063 ccw(c16.75,229.458) 17.144,229.458 17.144,232.002 cw(c17.299,232.002) 17.299,232.156 17.504,232.156 cw(c17.504,232.002) 17.658,232.002 17.658,229.475 ccw(c18.053,229.475) 18.053,229.08 18.99,229.08 19.17,229.08 v1(19.55,228.7)
GBE1_MDI3_C_P: J34.7 T1.2 | length 32.7
  L12 Bottom w0.114: J34.7@3.439,227.55 4.085,228.196 4.085,228.291 3.853,228.523 3.853,229.359 4.396,229.902 4.452,229.902 4.466,229.916 5.498,229.916 8.732,226.682 12.009,226.682 13.269,227.942 14.634,229.307 14.648,229.32 15.063,229.32 15.24,229.32 ccw(c15.24,229.475) 15.394,229.475 15.394,232.295 cw(c15.789,232.295) 15.789,232.69 15.995,232.69 cw(c15.995,232.295) 16.39,232.295 16.39,229.458 ccw(c16.544,229.458) 16.544,229.304 16.75,229.304 ccw(c16.75,229.458) 16.904,229.458 16.904,232.002 cw(c17.299,232.002) 17.299,232.397 17.504,232.397 cw(c17.504,232.002) 17.899,232.002 17.899,229.475 ccw(c18.053,229.475) 18.053,229.32 18.99,229.32 19.17,229.32 v1(19.55,229.7)